# Altium PCB TCM.PcbDoc (part 5 of 10) (continued)
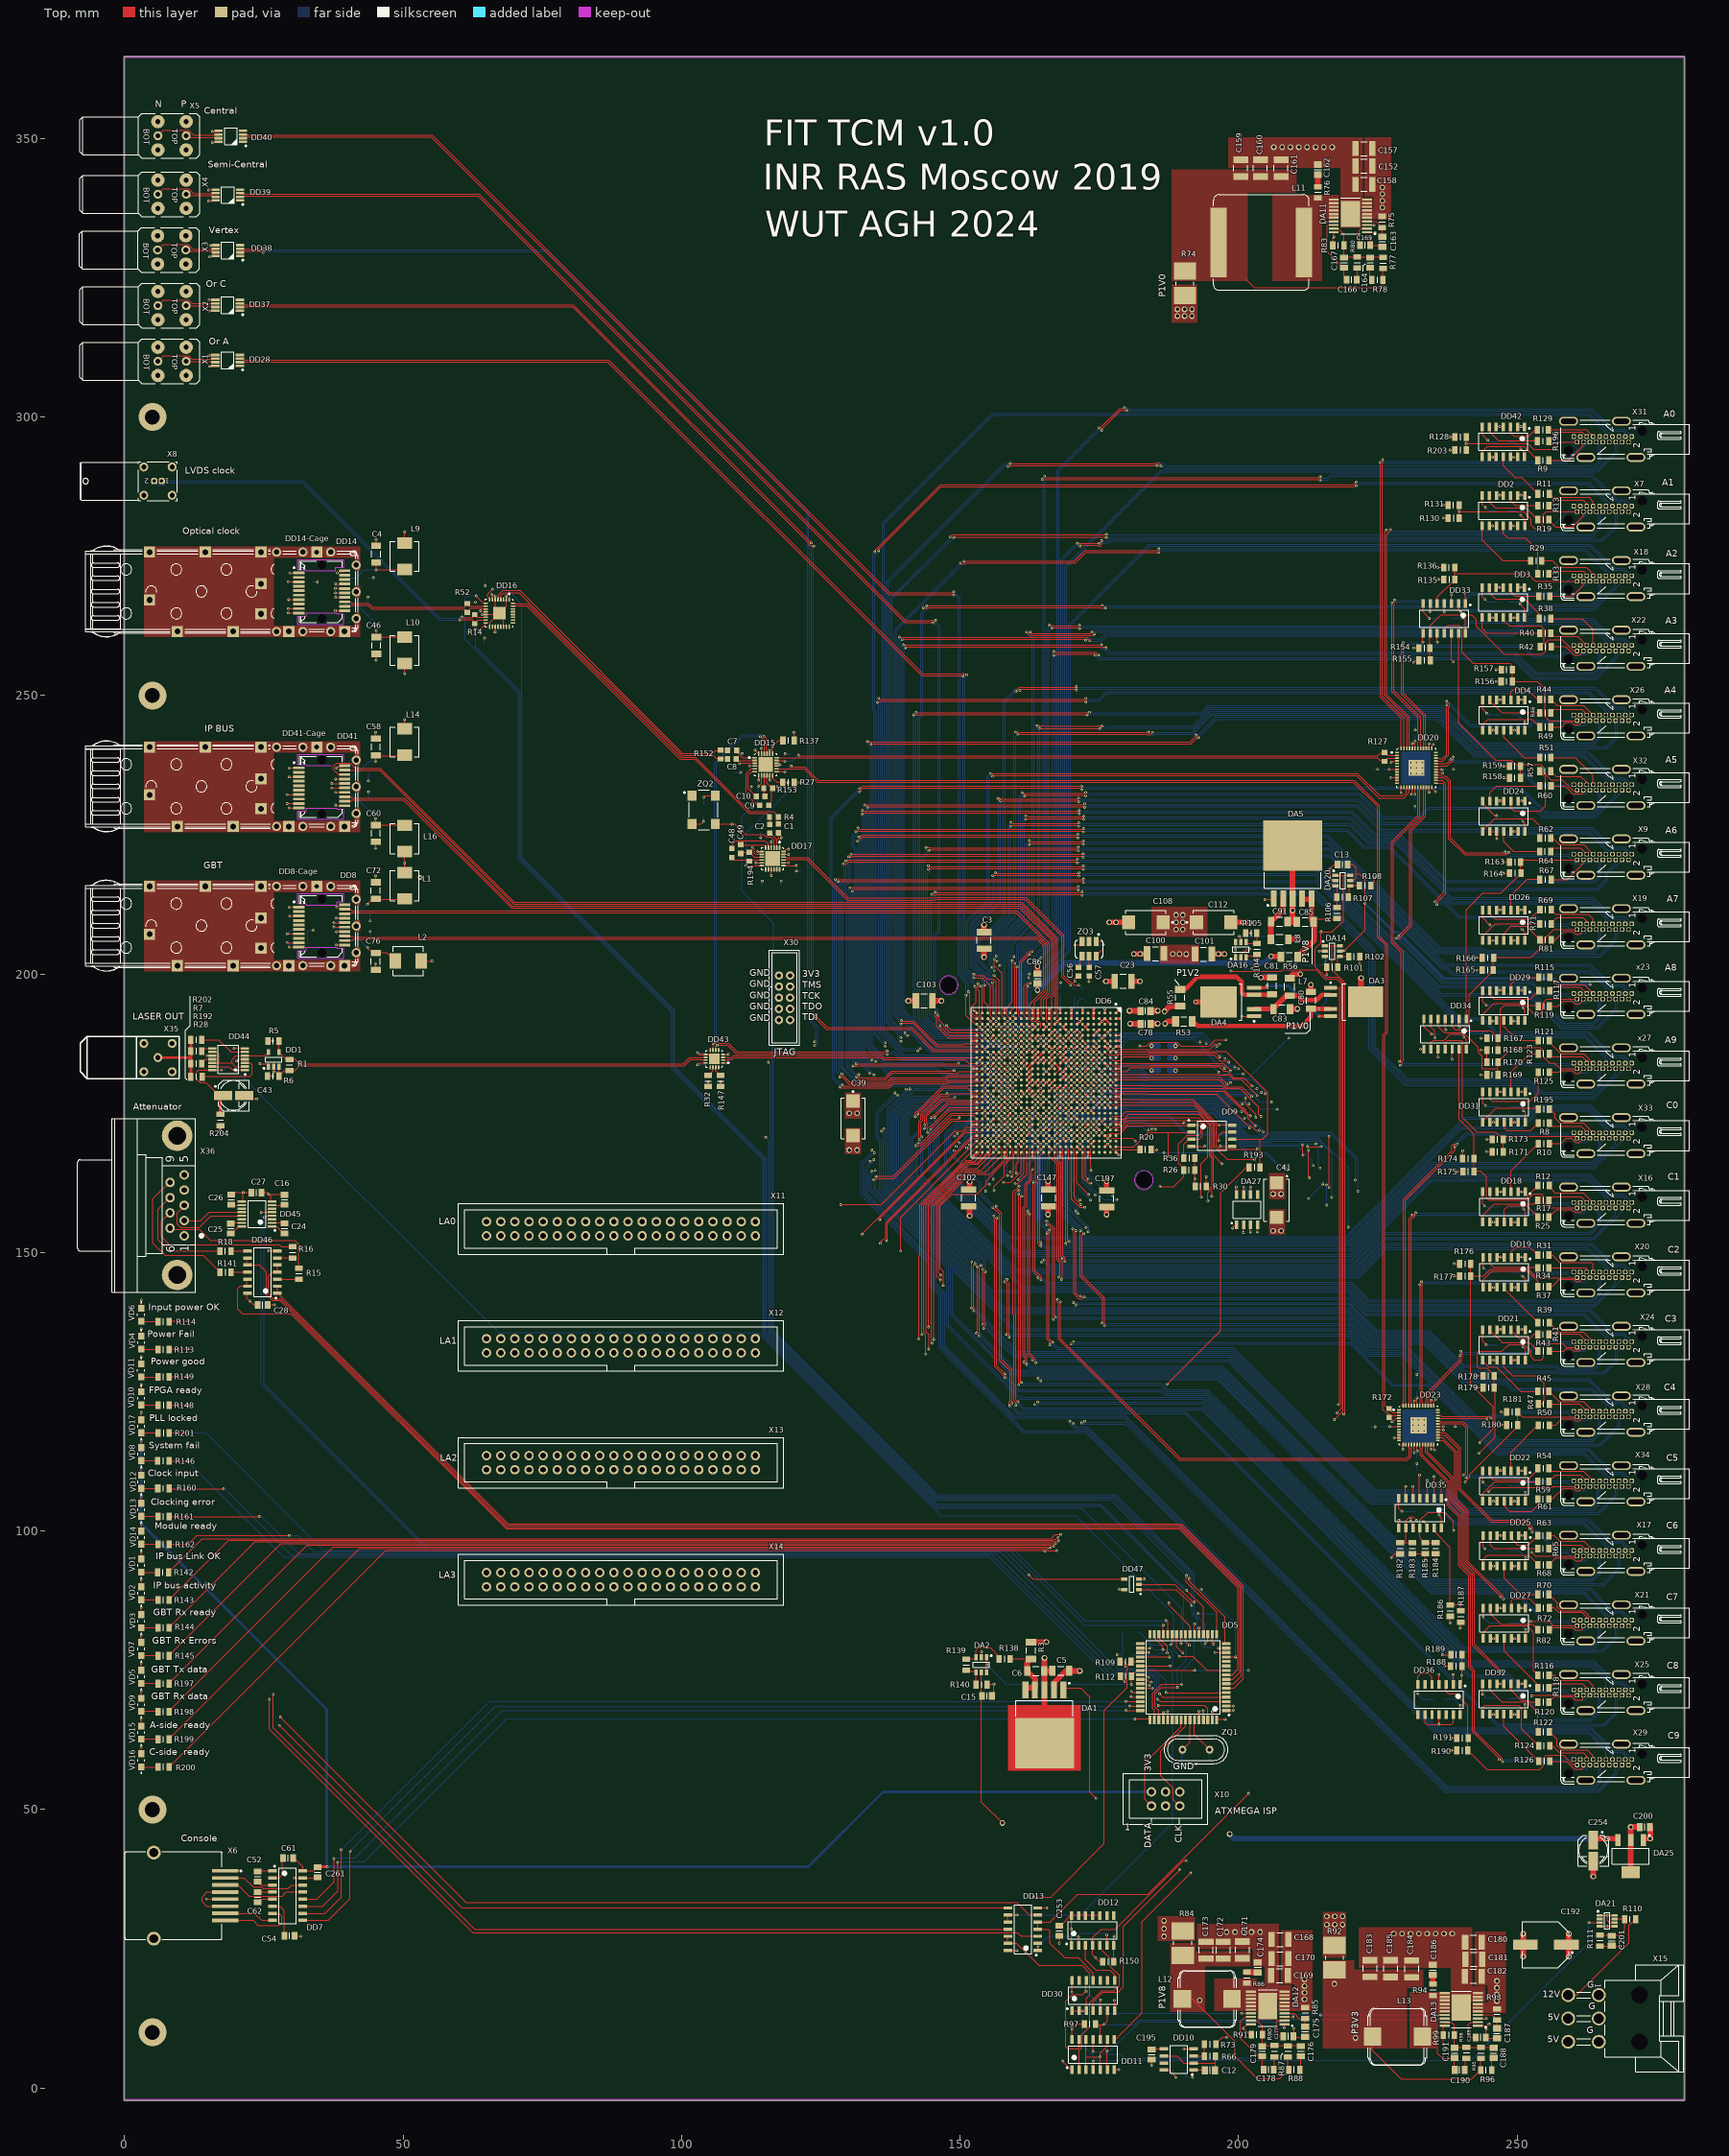
[diagram p0: Top view]
## Nets (pads, with @x,y where several pads share a name; then routed paths per layer and width w, separated by ;. In a path a pad name is that pad's centre, name@x,y a point inside that pad or via, vN(x,y) a via of type N, cw(c..) or ccw(c..) an arc to the next point about the centre after c; other vN are vias at no path point) (continued)
HDMIA8.TCM_DA1_P: DD6.AD11 x23.7 | length 213.2
  Top w0.1: v1(154.5,182.5) DD6.AD11@155,183
  Top w0.2: v1(130.5,221.507) 171.94,221.507 171.997,221.449 v1(172.137,221.589) ; v1(131.8,182) 131.8,181.791 131.862,181.729 131.862,181.531 132.035,181.358 136.47,181.358 137.694,182.582 148.308,182.582 148.389,182.663 v1(148.966,182.663)
  L3 w0.1: 150.5,182.663 152.055,182.663 152.313,182.405 154.405,182.405 v1(154.5,182.5)
  L3 w0.17: v1(148.966,182.663) 150.5,182.663
  Bot w0.2: v1(130.5,221.507) 130.49,221.497 130.49,220.897 130.35,220.757 130.35,216.602 129.647,215.9 129.647,214.447 130.1,213.995 130.1,183.293 131.377,182.016 131.575,182.016 131.591,182 v1(131.8,182) ; v1(172.137,221.589) 172.137,221.475 172.163,221.449 216.465,221.449 236.805,201.11 237.634,201.11 238.554,200.19 242.895,200.19 243.324,200.619 263.176,200.619 267.135,196.66 x23.7@267.135,196.5
HDMIA8.TCM_DT0_N: DD6.AD3 x23.6 | length 178.5
  Top w0.1: v1(154.5,190.5) DD6.AD3@155,191
  Top w0.2: v1(144.309,219.455) 144.309,219.367 144.361,219.315 171.984,219.315 v1(172.124,219.455)
  Bot w0.1: 150.5,190.237 153.204,190.237 153.336,190.105 154.106,190.105 v1(154.5,190.5)
  Bot w0.2: v1@144.246,219.455 v1(144.309,219.455) 144.372,219.455 144.799,219.028 144.799,218.622 144.208,218.031 144.208,192.233 146.204,190.237 146.61,190.237 146.614,190.241 146.84,190.241 146.844,190.237 150.5,190.237 ; v1(172.124,219.455) 172.124,219.328 172.137,219.315 213.46,219.315 213.72,219.055 213.865,219.055 236.42,196.5 252.048,196.5 258.069,190.478 264.346,190.478 267.712,193.845 x23.6@267.712,195.5
HDMIA8.TCM_DT0_P: DD6.AD4 x23.4 | length 180
  Top w0.1: DD6.AD4@155,190 v1(155.5,189.5)
  Top w0.2: v1(144.309,218.825) 144.309,218.913 144.361,218.965 171.984,218.965 v1(172.124,218.825)
  Bot w0.1: 150.5,189.887 152.686,189.887 152.693,189.895 155.106,189.895 v1(155.5,189.5)
  Bot w0.2: v1(144.309,218.825) 143.858,218.374 143.858,192.088 146.059,189.887 150.5,189.887 ; v1(172.124,218.825) 172.124,218.952 172.137,218.965 213.315,218.965 213.575,218.705 213.72,218.705 236.275,196.15 251.903,196.15 257.924,190.128 264.491,190.128 268.062,193.7 268.062,194.695 x23.4@268.866,195.5
HDMIA8.TCM_DT1_N: DD6.AD5 x23.3 | length 179.6
  Top w0.1: v1(154.5,189.5) DD6.AD5@155,189
  Top w0.2: v1(144.372,222.219) 144.422,222.269 171.071,222.269 v1(171.211,222.129)
  Bot w0.1: 150.5,189.5 v1(154.5,189.5)
  Bot w0.2: v1(144.372,222.219) 144.208,222.055 144.208,221.444 143.508,220.744 143.508,191.943 145.952,189.5 150.5,189.5 ; v1(171.211,222.129) 171.211,222.143 171.337,222.269 216.14,222.269 236.95,201.46 262.981,201.46 266.641,197.799 268.806,197.799 269.445,197.16 x23.3@269.445,196.5
HDMIA8.TCM_DT1_P: DD6.AD6 x23.1 | length 182.3
  Top w0.1: v1(154.5,188.5) DD6.AD6@155,188
  Top w0.2: v1(143.858,222.712) 144.572,222.712 144.665,222.619 171.071,222.619 v1(171.211,222.759)
  Bot w0.1: 150.5,189.13 153.87,189.13 v1(154.5,188.5)
  Bot w0.2: v1(143.858,222.712) 143.858,221.589 143.158,220.889 143.158,191.798 145.827,189.13 150.5,189.13 ; v1(171.211,222.759) 171.211,222.745 171.337,222.619 216.285,222.619 237.095,201.81 263.126,201.81 263.58,201.355 266.786,198.149 268.951,198.149 x23.1@270.6,196.5
HDMIA9.TCM_DA0_N: DD6.AE10 x27.12 | length 219.3
  Top w0.1: 150.5,183.5 153.5,183.5 DD6.AE10@154,184
  Top w0.2: v1(130.22,215.5) 130.705,215.5 130.808,215.603 171.076,215.603 v1(171.216,215.743) ; v1(130.8,183.505) 131.085,183.505 131.141,183.45 131.547,183.45 131.597,183.5 149.709,183.5 149.714,183.505 150.495,183.505 150.5,183.5
  Bot w0.2: v1(130.22,215.5) 130.16,215.44 130.16,214.697 130.447,214.41 130.45,214.41 130.45,184.561 130.8,184.211 v1(130.8,183.505) ; v1@171.308,215.603 213.419,215.603 224.576,204.445 224.576,186.993 230.399,181.171 252.117,181.171 252.219,181.068 254.5,178.788 263.396,178.788 264.65,180.041 264.65,182.597 x27.12@264.247,183
HDMIA9.TCM_DA0_P: DD6.AD10 x27.10 | length 219.2
  Top w0.1: v1(154.5,183.5) DD6.AD10@155,184
  Top w0.2: v1(130.65,214.9) 130.65,214.95 130.953,215.253 171.076,215.253 v1(171.216,215.113) ; v1(131.344,183.94) 131.411,183.94 131.501,183.85 149.564,183.85 v1(149.717,184.003)
  Bot w0.1: 150.5,183.797 152.797,183.797 153.088,183.505 153.249,183.505 153.254,183.5 v1(154.5,183.5)
  Bot w0.2: v1@130.65,214.85 130.8,214.7 130.8,184.706 131.15,184.356 131.15,184.134 v1(131.344,183.94) ; v1(149.717,184.003) 149.923,183.797 150.5,183.797 ; v1@171.308,215.253 213.274,215.253 224.226,204.3 224.226,186.848 230.254,180.821 251.972,180.821 254.252,178.54 254.355,178.438 263.541,178.438 263.644,178.54 265,179.897 265,182.597 x27.10@265.402,183
HDMIA9.TCM_DA1_N: DD6.AF12 x27.9 | length 212
  Top w0.1: 150.5,181.801 152.801,181.801 DD6.AF12@153,182
  Top w0.2: v1(128.1,216.602) 171.958,216.602 172.12,216.44 v1(172.181,216.44) ; v1@128.8,182.03 130.188,180.642 136.878,180.642 137.607,181.371 147.327,181.371 147.758,181.801 150.5,181.801
  Bot w0.2: v1(128.1,216.602) 128.2,216.502 128.2,182.672 v1(128.8,182.073) ; v1(172.181,216.44) 212.697,216.44 212.72,216.463 213.883,216.463 239.255,191.091 239.999,191.091 241.814,189.277 244.357,189.277 245.045,188.588 262.159,188.588 265.975,184.772 265.975,184.005 x27.9@265.98,184
HDMIA9.TCM_DA1_P: DD6.AE12 x27.7 | length 216.2
  Top w0.1: 150.5,181.451 153.451,181.451 DD6.AE12@154,182
  Top w0.2: v1(127.6,217) 127.702,216.898 127.897,217.092 128.303,217.092 128.443,216.952 172.061,216.952 v1(172.181,217.072) ; v1(128.4,181.526) 128.808,181.526 130.043,180.292 137.023,180.292 137.316,180.585 137.752,181.021 147.472,181.021 147.903,181.451 150.5,181.451
  Bot w0.2: v1(127.6,217) 127.61,216.99 127.61,216.4 127.85,216.159 127.85,182.528 128.31,182.068 128.31,181.87 128.4,181.78 v1(128.4,181.526) ; v1(172.181,217.072) 172.242,217.072 172.524,216.79 212.552,216.79 212.575,216.813 214.028,216.813 239.4,191.441 240.144,191.441 241.959,189.627 244.502,189.627 245.19,188.938 262.304,188.938 267.135,184.107 x27.7@267.135,184
HDMIA9.TCM_DT0_N: DD6.AF4 x27.6 | length 181.4
  Top w0.1: 150.5,190 DD6.AF4@153,190
  Top w0.2: v1@145.6,214.597 171.753,214.597 v1(171.893,214.737) ; v1(147.568,190.764) 148.331,190 150.5,190
  Bot w0.2: v1@145.397,214.594 145.397,213.587 144.908,213.098 144.908,192.922 147.067,190.764 v1(147.568,190.764) ; v1(171.893,214.737) 171.893,214.704 172,214.597 213.227,214.597 223.806,204.018 223.806,186.617 230.032,180.392 251.838,180.392 254.253,177.976 263.679,177.976 267.712,182.01 x27.6@267.712,183
  other v1: 145.5,214.697
HDMIA9.TCM_DT0_P: DD6.AF5 x27.4 | length 183.8
  Top w0.1: 150.5,189 DD6.AF5@153,189
  Top w0.2: v1(144.907,214.3) 145.204,214.3 145.297,214.207 145.703,214.207 145.743,214.247 171.753,214.247 v1(171.893,214.107) ; v1(146.407,190.727) 146.407,190.625 148.032,189 150.5,189
  Bot w0.2: v1(144.907,214.3) 144.907,213.592 144.558,213.243 144.558,192.777 146.407,190.928 v1(146.407,190.727) ; v1(171.893,214.107) 171.893,214.141 172,214.247 213.082,214.247 223.456,203.873 223.456,186.472 229.887,180.041 251.693,180.041 254.108,177.626 263.824,177.626 268.867,182.67 x27.4@268.866,183
HDMIA9.TCM_DT1_N: DD6.AE1 x27.3 | length 156
  Top w0.1: DD6.AE1@154,193 154,195.5
  Top w0.2: v1(153.711,197.826) 154,197.537 154,195.5 ; v1(155.847,217.706) 155.739,217.706 155.731,217.715 156.116,217.715 156.14,217.691 156.546,217.691 156.57,217.715 171.211,217.715 v1(171.351,217.575)
  Bot w0.2: v1(153.711,197.826) 153.87,197.985 153.87,198.203 154.01,198.343 154.01,199.261 151.803,201.468 151.803,209.092 156.012,213.301 156.012,217.542 v1(155.847,217.706) ; v1(171.351,217.575) 171.482,217.706 213.63,217.706 239.545,191.791 243.792,191.791 246.291,189.292 262.751,189.292 267.043,185 269.105,185 269.445,184.66 x27.3@269.445,184
HDMIA9.TCM_DT1_P: DD6.AD1 x27.1 | length 156.8
  Top w0.1: 154.36,195.5 154.36,194.985 155,194.345 DD6.AD1@155,193
  Top w0.2: 154.36,195.5 v1(154.36,198) ; v1(156.343,218.181) 156.343,218.136 156.272,218.065 171.211,218.065 v1(171.351,218.205)
  Bot w0.2: v1(154.36,198) 154.36,199.406 152.153,201.613 152.153,208.947 156.343,213.137 156.362,213.156 156.362,217.687 156.343,217.706 v1(156.343,218.181) ; v1(171.351,218.205) 171.491,218.065 171.554,218.065 171.562,218.056 213.775,218.056 214.032,217.8 239.69,192.141 243.937,192.141 244.04,192.039 246.436,189.642 262.896,189.642 267.188,185.35 269.25,185.35 x27.1@270.6,184
HDMIA_LHC.0_LHC_CLK_N: DD20.47 X31.19 | length 92.3
  Top w0.2: v1(225.857,292.354) 225.857,292.113 225.892,292.078 225.892,291.672 225.857,291.637 225.857,249.831 229.703,245.984 DD20.47@229.703,240.504
  Bot w0.2: v1(225.857,292.354) 225.857,292.279 225.997,292.139 225.997,292.136 226.114,292.019 258.611,292.019 ccw(c258.611,292.219) 258.752,292.077 259.705,293.03 cw(c260.091,292.642) 259.801,293.106 cw(c259.894,292.959) 259.802,293.107 ccw(c259.25,294) 260.141,293.445 cw(c260.289,293.354) 260.142,293.447 cw(c260.608,293.159) 260.22,293.545 260.74,294.065 ccw(c260.598,294.206) 260.722,294.363 260.076,294.873 cw(c260.2,295.03) 260.059,294.888 260,294.947 260,296.304 X31.19@260.196,296.5
HDMIA_LHC.0_LHC_CLK_P: DD20.48 X31.14 | length 92.2
  Top w0.2: v1(225.402,291.875) 225.507,291.77 225.507,249.686 229.203,245.989 DD20.48@229.203,240.504
  Bot w0.2: v1(225.402,291.875) 225.455,291.821 225.82,291.821 225.97,291.672 258.467,291.672 258.611,291.672 ccw(c258.611,292.219) 258.997,291.831 259.95,292.784 cw(c260.091,292.642) 259.986,292.812 ccw(c259.25,294) 260.436,293.26 ccw(c260.289,293.354) 260.437,293.263 cw(c260.608,293.159) 260.466,293.3 260.985,293.819 cw(c261.127,293.677) 261.004,293.835 262.886,295.3 X31.14@263.086,295.5
HDMIA_LHC.1_LHC_CLK_N: DD20.45 X7.19 | length 76.2
  Top w0.2: v1(227.286,279.838) 227.286,279.661 226.605,278.98 226.605,250.154 230.628,246.131 230.628,241.079 230.703,241.004 DD20.45@230.703,240.504
  Bot w0.2: v1(227.286,279.838) 227.584,279.54 255.593,279.54 258.05,281.997 258.753,282.7 260.053,284 X7.19@260.205,284
HDMIA_LHC.1_LHC_CLK_P: DD20.46 X7.14 | length 79.2
  Top w0.2: v1(226.585,279.735) 226.255,279.405 226.255,250.009 230.278,245.986 230.278,241.079 230.203,241.004 DD20.46@230.203,240.504
  Bot w0.2: 226.609,279.452 226.871,279.19 258.974,279.19 262.095,282.311 262.365,282.311 263.054,283 X7.14@263.092,283
HDMIA_LHC.2_LHC_CLK_N: DD20.41 X18.19 | length 62.9
  Top w0.2: v1(228.049,267.163) 227.996,267.11 227.996,266.913 227.988,266.906 227.988,266.398 227.897,266.308 227.897,250.876 232.703,246.071 DD20.41@232.703,240.504
  Bot w0.2: v1@227.948,267.062 227.953,267.057 v1@228.049,267.057 ; v1(228.049,267.163) 228.155,267.057 240.264,267.057 241.645,268.438 256.991,268.438 258.05,269.497 258.753,270.2 260.053,271.5 X18.19@260.205,271.5
HDMIA_LHC.2_LHC_CLK_P: DD20.42 X18.14 | length 65.5
  Top w0.2: v1(227.547,266.651) 227.547,250.732 232.203,246.076 232.203,244.032 232.207,244.028 232.207,243.622 232.203,243.617 DD20.42@232.203,240.504
  Bot w0.2: v1(227.547,266.651) 228.23,266.651 228.286,266.707 240.409,266.707 241.79,268.088 258.465,268.088 258.753,267.8 260.012,267.8 262.043,269.831 262.417,269.831 X18.14@263.086,270.5
HDMIA_LHC.3_LHC_CLK_N: DD20.39 X22.19 | length 53
  Top w0.2: v1(229.587,259.486) 229.588,259.153 229.704,259.037 229.704,258.631 229.609,258.536 229.609,250.371 233.553,246.427 233.553,240.965 233.703,240.815 DD20.39@233.703,240.504
  Bot w0.2: v1(229.587,259.486) 232.218,259.486 232.32,259.383 232.646,259.058 251.204,259.058 251.307,258.955 252.967,257.295 257.76,257.295 259.465,259 X22.19@260.205,259
HDMIA_LHC.3_LHC_CLK_P: DD20.40 X22.14 | length 55.6
  Top w0.2: v1(229.214,258.834) 229.259,258.789 229.259,250.226 233.203,246.282 233.203,241.004 DD20.40@233.203,240.504
  Bot w0.2: v1(229.214,258.834) 230.143,258.834 230.445,259.136 232.073,259.136 232.501,258.708 251.06,258.708 252.822,256.945 257.998,256.945 258.05,256.997 258.753,257.7 259.747,257.7 260.131,257.316 262.409,257.316 X22.14@263.092,258
HDMIA_LHC.4_LHC_CLK_N: DD20.33 X26.19 | length 37.9
  Top w0.2: DD20.33@235.453,238.254 236.666,238.254 237.719,239.307 237.719,247.966 237.859,248.106 237.859,248.512 237.432,248.939 v1(237.369,248.939)
  Bot w0.2: v1(237.369,248.939) 237.622,248.939 241.784,244.777 252.321,244.777 253.132,245.588 259.293,245.588 X26.19@260.205,246.5
HDMIA_LHC.4_LHC_CLK_P: DD20.34 X26.14 | length 39.4
  Top w0.2: DD20.34@235.453,238.754 235.953,238.754 236.054,238.653 236.571,238.653 237.369,239.452 v1(237.369,248.309)
  Bot w0.2: v1(237.369,248.309) 237.757,248.309 241.528,244.538 241.639,244.427 252.466,244.427 253.277,245.238 259.792,245.238 260.41,244.62 262.213,244.62 X26.14@263.092,245.5
HDMIA_LHC.5_LHC_CLK_N: DD20.31 X32.19 | length 28.1
  Top w0.2: DD20.31@235.453,237.254 236.029,237.254 236.179,237.404 237.475,237.404 238.088,238.017 238.286,238.017 238.573,238.304 238.573,238.908 v1(238.528,238.952)
  Bot w0.2: v1(238.528,238.952) 238.522,238.946 238.522,238.761 238.956,238.327 249.103,238.327 253.429,234 X32.19@260.205,234
HDMIA_LHC.5_LHC_CLK_P: DD20.32 X32.14 | length 30.8
  Top w0.2: DD20.32@235.453,237.754 237.33,237.754 v1(238.083,238.507)
  Bot w0.2: v1(238.083,238.507) 238.089,238.513 238.274,238.513 238.811,237.977 248.958,237.977 253.284,233.65 258.797,233.65 260.142,232.305 262.322,232.305 263.017,233 X32.14@263.092,233
HDMIA_LHC.6_LHC_CLK_N: DD20.27 X9.19 | length 36.9
  Top w0.2: DD20.27@235.453,235.254 236.306,235.254 236.318,235.242 237.039,235.242 237.719,234.561 237.719,224.287 240.614,221.393 248.089,221.393 248.544,221.848 v1(248.544,221.854)
  Bot w0.2: v1(248.544,221.854) 248.906,221.493 251.985,221.493 251.992,221.5 X9.19@260.205,221.5
HDMIA_LHC.6_LHC_CLK_P: DD20.28 X9.14 | length 40.5
  Top w0.2: DD20.28@235.453,235.754 236.301,235.754 236.463,235.592 237.184,235.592 238.069,234.706 238.069,224.432 240.759,221.743 v1@247.757,221.743
  Bot w0.2: v1(247.886,221.883) 247.886,221.819 248.563,221.143 259.123,221.143 260.45,219.815 262.408,219.815 X9.14@263.092,220.5
HDMIA_LHC.7_LHC_CLK_N: DD20.25 X19.19 | length 49.9
  Top w0.2: v1(235.2,213) 236.8,214.6 236.844,214.6 236.844,233.98 236.571,234.254 DD20.25@235.453,234.254
  Bot w0.2: v1(235.2,213) 237.089,213 239.652,210.438 253.532,210.438 253.634,210.335 253.738,210.335 255.073,209 X19.19@260.205,209
HDMIA_LHC.7_LHC_CLK_P: DD20.26 X19.14 | length 54.5
  Top w0.2: DD20.26@235.453,234.754 236.565,234.754 237.091,234.228 237.194,234.125 237.194,214.424 235.69,212.92 235.69,212.555 v1(235.6,212.465)
  Bot w0.2: v1(235.6,212.465) 235.752,212.465 235.937,212.65 236.944,212.65 239.507,210.088 253.387,210.088 254.863,208.611 258.953,208.611 260.378,207.186 262.278,207.186 X19.14@263.092,208
HDMIA_LHC.8_LHC_CLK_N: DD20.21 x23.19 | length 64.4
  Top w0.2: v1(228.708,206.83) 230.703,208.824 230.703,225.966 233.198,228.461 233.198,233.499 DD20.21@233.203,233.504
  Bot w0.2: v1(228.708,206.83) 228.708,206.632 236.682,198.658 252.672,198.658 252.815,198.516 254.831,196.5 x23.19@260.205,196.5
HDMIA_LHC.8_LHC_CLK_P: DD20.22 x23.14 | length 69.8
  Top w0.2: v1(228.263,206.384) 228.307,206.34 228.911,206.34 229.198,206.627 229.198,206.825 231.053,208.679 231.053,225.821 233.468,228.235 233.548,228.316 233.548,233.037 233.71,233.2 233.71,233.574 DD20.22@233.697,233.586
  Bot w0.2: v1(228.263,206.384) 228.461,206.384 228.505,206.34 236.537,198.308 252.527,198.308 254.686,196.15 259.1,196.15 260.449,194.801 262.393,194.801 x23.14@263.092,195.5
HDMIA_LHC.9_LHC_CLK_N: DD20.19 x27.19 | length 83.8
  Top w0.2: v1(228.88,184.323) 229.23,184.674 229.23,203.862 227.796,205.296 227.423,205.67 227.423,223.713 232.199,228.489 232.199,233.495 232.203,233.499 DD20.19@232.203,233.504
  Bot w0.2: v1(228.88,184.323) 229.081,184.122 229.46,184.122 229.6,183.982 259.176,183.982 259.558,183.6 259.805,183.6 x27.19@260.205,184
HDMIA_LHC.9_LHC_CLK_P: DD20.20 x27.14 | length 87.7
  Top w0.2: v1@229.135,183.632 229.37,183.868 229.37,184.318 229.58,184.529 229.58,204.007 229.3,204.288 227.773,205.815 227.773,223.568 232.549,228.344 232.549,233.038 232.703,233.192 DD20.20@232.703,233.504
  Bot w0.2: v1(229.079,183.632) 259.031,183.632 260.413,182.25 262.342,182.25 x27.14@263.092,183
HDMIC0.TCM_DA0_N: DD6.P26 X33.12 | length 127
  Top w0.1: 164.35,165.5 164.35,167.35 DD6.P26@165,168
  Top w0.2: 164.35,165.5 164.35,152.026 164.5,151.876 v1(164.5,151.8)
  Bot w0.2: v1(164.5,151.8) 164.563,151.8 164.99,151.373 164.99,151.31 165.19,151.11 169.845,151.11 170.235,151.5 219.886,151.5 234.528,166.143 234.585,166.143 234.668,166.225 263.459,166.225 264.65,167.417 264.65,170.097 X33.12@264.247,170.5
HDMIC0.TCM_DA0_P: DD6.R26 X33.10 | length 128
  Top w0.1: 164,165.5 DD6.R26@164,168
  Top w0.2: 164,165.5 164,164.705 164.01,164.695 164.01,151.597 164.437,151.17 v1(164.5,151.17)
  Bot w0.2: v1(164.5,151.17) 164.64,151.17 164.64,151.165 165.045,150.76 169.99,150.76 170.38,151.15 220.031,151.15 234.673,165.793 234.73,165.793 234.813,165.875 263.604,165.875 263.706,165.978 265,167.272 265,170.097 X33.10@265.402,170.5
HDMIC0.TCM_DA1_N: DD6.K26 X33.9 | length 125.3
  Top w0.1: 169,165.5 DD6.K26@169,168
  Top w0.2: v1(169,151.6) 169,165.5
  Bot w0.2: v1(169,151.6) 169.09,151.51 169.75,151.51 170.09,151.85 219.741,151.85 234.383,166.493 234.386,166.493 240.109,172.216 250.934,172.216 254.138,175.419 262.725,175.419 265.98,172.164 X33.9@265.98,171.5
HDMIC0.TCM_DA1_P: DD6.K25 X33.7 | length 126.6
  Top w0.1: DD6.K25@169,169 169,168.853 169.49,168.362 169.49,166.739 169.357,166.606 169.357,165.5
  Top w0.2: 169.357,165.5 169.357,152.189 v1(169.547,152)
  Bot w0.2: v1(169.547,152) 169.646,151.901 169.945,152.2 219.596,152.2 234.238,166.843 234.241,166.843 239.964,172.566 250.789,172.566 253.993,175.769 262.87,175.769 266.33,172.309 266.33,172.305 X33.7@267.135,171.5
HDMIC0.TCM_DT0_N: DD6.AF15 X33.6 | length 161.4
  Top w0.1: 150.5,179.596 151.361,179.596 151.957,179 DD6.AF15@153,179
  Top w0.2: v1(142.397,174.9) 142.397,174.897 147.096,179.596 150.5,179.596
  Bot w0.2: v1(142.397,174.9) 143.177,174.9 145.55,172.527 145.55,165.296 160.45,150.396 170.256,150.396 170.587,150.727 220.103,150.727 234.818,165.443 263.694,165.443 267.712,169.461 X33.6@267.712,170.5
HDMIC0.TCM_DT0_P: DD6.AF14 X33.4 | length 163.7
  Top w0.1: 150.5,179.949 151.408,179.949 151.459,180 DD6.AF14@153,180
  Top w0.2: v1(141.986,174.4) 141.907,174.478 141.907,175.103 142.194,175.39 142.395,175.39 146.954,179.949 150.5,179.949
  Bot w0.2: v1@142.194,174.41 142.6,174.41 142.74,174.55 143.032,174.55 145.2,172.382 145.2,165.151 160.305,150.046 170.401,150.046 170.732,150.377 220.248,150.377 234.963,165.093 263.839,165.093 263.942,165.195 268.867,170.121 X33.4@268.866,170.5
HDMIC0.TCM_DT1_N: DD6.AF17 X33.3 | length 159.6
  Top w0.1: 150.5,177 DD6.AF17@153,177
  Top w0.2: v1(144.8,174.2) 144.993,174.393 144.993,174.488 145.28,174.775 145.478,174.775 147.703,177 150.5,177
  Bot w0.2: v1(144.8,174.2) 145.9,173.1 145.9,165.441 158.781,152.56 219.399,152.56 240.787,173.948 251.505,173.948 253.682,176.126 263.068,176.126 266.617,172.576 269.028,172.576 269.445,172.16 X33.3@269.445,171.5
HDMIC0.TCM_DT1_P: DD6.AE17 X33.1 | length 160.1
  Top w0.1: 150.5,176.65 152.692,176.65 152.757,176.585 153.172,176.585 153.587,177 DD6.AE17@154,177
  Top w0.2: v1(145.483,174.285) 147.848,176.65 150.5,176.65
  Bot w0.2: v1(145.483,174.285) 145.483,174.011 146.25,173.245 146.25,165.586 158.926,152.91 219.254,152.91 240.642,174.298 251.36,174.298 253.537,176.476 263.213,176.476 266.762,172.926 269.173,172.926 X33.1@270.6,171.5
HDMIC1.TCM_DA0_N: DD6.N24 X16.12 | length 129.3
  Top w0.1: v1(165.5,170.5) DD6.N24@166,170
  L3 w0.1: v1(165.5,170.5) 165.5,170.059 165.895,169.664 165.895,169.185 165.641,168.931 165.641,165.5
  L3 w0.17: v1(165.085,148.703) 165.085,148.953 165.4,149.267 165.4,152.933 165.025,153.308 165.025,163.024 165.641,163.641 165.641,165.5
  Bot w0.17: v1(165.085,148.703) 165.919,147.87 220.326,147.87 220.978,148.522
  Bot w0.2: 220.978,148.522 226.092,153.636 263.133,153.636 264.65,155.153 264.65,157.597 X16.12@264.247,158
HDMIC1.TCM_DA0_P: DD6.P24 X16.10 | length 129.5
  Top w0.1: DD6.P24@165,170 v1(165.5,169.5)
  L3 w0.1: 165.321,165.5 165.321,169.321 v1(165.5,169.5)
  L3 w0.17: v1(164.64,148.258) 164.61,148.287 164.61,148.929 164.64,148.959 165.08,149.4 165.08,152.8 164.705,153.176 164.705,163.157 165.321,163.773 165.321,165.5
  Bot w0.17: v1(164.64,148.258) 164.669,148.228 165.108,148.228 165.786,147.55 220.501,147.55 221.132,148.181
  Bot w0.2: 221.132,148.181 226.237,153.286 263.278,153.286 263.38,153.389 265,155.009 265,157.597 X16.10@265.402,158
HDMIC1.TCM_DA1_N: DD6.L25 X16.9 | length 126.1
  Top w0.1: DD6.L25@168,169 168.5,168.5 168.5,165.5
  Top w0.2: 168.5,165.5 168.5,149.393 168.844,149.048 168.844,148.642 168.8,148.598 v1(168.8,148.4)
  Bot w0.2: v1(168.8,148.4) 220.253,148.4 234.716,162.863 262.777,162.863 265.98,159.66 X16.9@265.98,159
HDMIC1.TCM_DA1_P: DD6.M25 X16.7 | length 127.4
  Top w0.1: DD6.M25@167,169 167.523,168.477 167.523,166.771 168.15,166.145 168.15,165.5
  Top w0.2: 168.15,165.5 168.15,149.248 168.354,149.043 v1(168.354,148.845)
  Bot w0.2: v1(168.354,148.845) 168.453,148.746 168.597,148.89 169.003,148.89 169.143,148.75 220.108,148.75 234.571,163.213 262.922,163.213 X16.7@267.135,159
HDMIC1.TCM_DT0_N: DD6.AE15 X16.6 | length 160.2
  Top w0.1: 150.5,178.5 153.5,178.5 DD6.AE15@154,179
  Top w0.2: v1(143.15,170.78) 143.01,170.92 143.01,173.41 143.3,173.7 143.3,174.74 146.626,178.066 147.857,178.066 148.144,178.353 148.144,178.373 148.271,178.5 150.5,178.5
  Bot w0.2: v1@143.1,170.8 143.1,170.546 143.19,170.456 143.19,170.305 143.35,170.145 143.35,163.847 160,147.197 220.713,147.197 226.237,152.722 263.71,152.722 267.712,156.724 X16.6@267.712,158
HDMIC1.TCM_DT0_P: DD6.AD15 X16.4 | length 163.5
  Top w0.1: v1@154.5,179.5 DD6.AD15@155,179
  Top w0.2: v1(142.7,170.254) 142.66,170.293 142.66,173.555 142.95,173.845 142.95,174.885 146.481,178.416 147.514,178.416 v1(147.654,178.556)
  L3 w0.1: 150.5,179.5 v1(154.5,179.5)
  L3 w0.17: v1(147.654,178.556) 148.599,179.5 150.5,179.5
  Bot w0.2: v1@142.7,170.3 143,170 143,163.702 159.855,146.847 220.858,146.847 226.382,152.372 263.855,152.372 268.867,157.384 X16.4@268.866,158
HDMIC1.TCM_DT1_N: DD6.AF18 X16.3 | length 157.7
  Top w0.1: 150.5,176 DD6.AF18@153,176
  Top w0.2: v1(144.217,171.543) 144.217,172.329 144.49,172.602 144.719,172.602 148.117,176 150.5,176
  Bot w0.2: v1@144.1,171.607 144.357,171.35 144.357,165.004 159.4,149.961 160.015,149.346 220.21,149.346 234.576,163.713 262.966,163.713 266.57,160.108 268.997,160.108 269.445,159.66 X16.3@269.445,159
HDMIC1.TCM_DT1_P: DD6.AE18 X16.1 | length 158.3
  Top w0.1: 150.5,175.65 152.692,175.65 152.807,175.535 153.535,175.535 DD6.AE18@154,176
  Top w0.2: v1(144.707,172.095) 148.262,175.65 150.5,175.65
  Bot w0.2: v1(144.707,172.095) 144.707,165.149 160.16,149.696 220.065,149.696 234.268,163.9 234.431,164.063 263.111,164.063 263.185,163.989 266.715,160.458 269.142,160.458 X16.1@270.6,159
HDMIC2.TCM_DA0_N: DD6.P25 X20.12 | length 130.5
  Top w0.1: v1(164.5,168.5) DD6.P25@165,169
  Top w0.2: v1(163.205,162.665) 163.095,162.555 163.095,146.633 164,145.728 v1(164,145.53)
  L3 w0.1: 164.161,165.5 164.161,166.145 164.5,166.484 v1(164.5,168.5)
  L3 w0.17: v1(163.205,162.665) 163.205,163.223 164.161,164.179 164.161,165.5
  Bot w0.2: v1(164,145.53) 164.063,145.593 164.693,145.593 165.636,144.65 220.299,144.65 223.445,141.504 263.501,141.504 264.65,142.653 264.65,145.097 X20.12@264.247,145.5
HDMIC2.TCM_DA0_P: DD6.R25 X20.10 | length 130.5
  Top w0.1: 163.563,165.5 163.563,168.15 164,168.587 DD6.R25@164,169
  Top w0.2: 163.563,165.5 163.563,163 163.695,162.868 163.695,162.462 163.445,162.212 163.445,146.778 164.49,145.733 v1(164.49,145.103)
  Bot w0.2: v1(164.49,145.103) 164.688,145.103 165.491,144.3 220.154,144.3 223.3,141.154 263.646,141.154 265,142.508 265,145.097 X20.10@265.402,145.5
HDMIC2.TCM_DA1_N: DD6.M26 X20.9 | length 125.5
  Top w0.1: DD6.M26@167,168 167,166.786 167.8,165.987 167.8,165.5
  Top w0.2: 167.8,165.5 167.8,162.112 167.806,162.105 167.806,148.771 168.34,148.238 168.34,145.706 168.254,145.62 168.254,145.202 v1(168.2,145.148)
  Bot w0.2: v1(168.2,145.148) 168.474,145.422 221.486,145.422 226.585,150.522 262.632,150.522 265.98,147.174 X20.9@265.98,146.5
HDMIC2.TCM_DA1_P: DD6.N26 X20.7 | length 126.7
  Top w0.1: DD6.N26@166,168 166,167.318 167.445,165.873 167.445,165.5
  Top w0.2: 167.45,165.495 167.45,161.967 167.456,161.96 167.456,148.626 167.99,148.093 167.99,145.851 167.754,145.615 v1(167.754,145.594)
  Bot w0.2: v1(167.754,145.594) 167.952,145.594 167.997,145.638 168.195,145.638 168.329,145.772 221.341,145.772 226.44,150.872 262.777,150.872 266.33,147.319 266.33,147.305 X20.7@267.135,146.5
HDMIC2.TCM_DT0_N: DD6.AE16 X20.6 | length 161.9
  Top w0.1: 150.5,177.35 152.605,177.35 152.755,177.5 153.5,177.5 DD6.AE16@154,178
  Top w0.2: v1(143.6,172.3) 143.693,172.3 144.14,172.747 144.14,173.153 144,173.293 144,174.45 146.9,177.35 150.5,177.35
  Bot w0.2: v1(143.6,172.3) 143.402,172.3 141.5,170.398 141.5,163.717 161.317,143.9 219.985,143.9 223.245,140.64 263.818,140.64 267.712,144.534 X20.6@267.712,145.5
HDMIC2.TCM_DT0_P: DD6.AD16 X20.4 | length 165
  Top w0.1: v1(154.5,178.5) DD6.AD16@155,178
  Top w0.2: v1(143.65,172.95) 143.65,174.595 146.771,177.716 148.925,177.716 149.019,177.809 v1(149.019,177.895)
  L3 w0.1: 150.5,178.5 v1(154.5,178.5)
  L3 w0.17: v1(149.019,177.895) 149.624,178.5 150.5,178.5
  Bot w0.2: v1(143.65,172.95) 143.557,172.95 141.15,170.543 141.15,163.572 161.172,143.55 219.84,143.55 223.1,140.29 263.963,140.29 264.065,140.392 268.867,145.194 X20.4@268.866,145.5
HDMIC2.TCM_DT1_N: DD6.AF20 X20.3 | length 158.3
  Top w0.1: 150.5,174.643 152.357,174.643 DD6.AF20@153,174
  Top w0.2: v1(142.008,169.193) 142.214,169.193 142.297,169.11 142.703,169.11 142.843,169.25 143.134,169.25 148.527,174.643 150.5,174.643
  Bot w0.2: v1(142.008,169.193) 142.008,163.704 159.565,146.147 221.181,146.147 221.534,146.5 226.386,151.352 263.289,151.352 267.141,147.5 269.093,147.5 269.445,147.148 X20.3@269.445,146.5
HDMIC2.TCM_DT1_P: DD6.AF19 X20.1 | length 158.3
  Top w0.1: 150.5,175 DD6.AF19@153,175
  Top w0.2: v1(142.5,169.6) 142.989,169.6 148.389,175 150.5,175
  Bot w0.2: 142.358,168.796 142.358,163.849 159.71,146.497 221.036,146.497 226.241,151.702 263.434,151.702 267.286,147.85 269.25,147.85 X20.1@270.6,146.5 ; 142.358,168.85 142.498,168.99 142.498,169.396 142.397,169.497 v1(142.5,169.6)
HDMIC3.TCM_DA0_N: DD6.L24 X24.12 | length 133
  Top w0.1: v1(167.5,169.5) DD6.L24@168,170
  L3 w0.1: v1(167.5,169.5) 167.405,169.405 167.405,166.834 167.775,166.464 167.775,165.5
  L3 w0.17: 167.775,165.5 167.775,164.057 168.704,163.127 168.704,153.682 170.108,152.279 170.108,141.388 170.354,141.141 v1(170.354,141.045) v1@170.325,141.016
  Bot w0.17: v1(170.354,141.045) 170.38,141.02 170.548,141.02 170.603,141.075 170.997,141.075 171.052,141.02 219.912,141.02 224.92,136.012 226,136.012
  Bot w0.2: 226,136.012 234.292,136.012 240.496,129.808 256.992,129.808 257.339,129.461 ccw(c257.482,129.601) 257.34,129.46 257.441,129.359 ccw(c257.583,129.5) 257.583,129.3 261.061,129.3 cw(c261.059,128.75) 261.197,129.283 ccw(c261.45,130.25) 261.45,129.25 263.25,129.25 ccw(c263.25,130.25) 263.651,129.334 263.84,129.417 ccw(c263.76,129.6) 263.901,129.458 264.591,130.149 ccw(c264.45,130.29) 264.65,130.29 264.65,130.435 264.65,132.597 X24.12@264.247,133
HDMIC3.TCM_DA0_P: DD6.M24 X24.10 | length 135
  Top w0.1: DD6.M24@167,170 v1(167.5,170.5)
  L3 w0.1: v1(167.5,170.5) 167.5,170.059 167.895,169.664 167.895,169.105 167.69,168.9 167.69,167.548 167.605,167.463 167.605,167.037 168.095,166.547 168.095,165.5
  L3 w0.17: 168.095,165.5 168.095,164.189 169.024,163.26 169.024,153.815 170.428,152.411 170.428,141.644 170.829,141.242 170.829,140.629 v1(170.8,140.6) v1@170.709,140.509
  Bot w0.17: v1(170.8,140.6) 170.9,140.7 219.779,140.7 224.817,135.662 226.133,135.662
  Bot w0.2: 226.133,135.662 234.147,135.662 240.351,129.458 256.847,129.458 257.194,129.111 ccw(c257.583,129.5) 257.583,128.95 261.06,128.95 cw(c261.059,128.75) 261.109,128.944 ccw(c261.45,130.25) 261.45,128.9 263.25,128.9 ccw(c263.25,130.25) 263.792,129.014 263.981,129.096 ccw(c263.76,129.6) 264.148,129.21 ccw(c264.025,129.335) 264.149,129.211 264.839,129.901 ccw(c264.45,130.29) 265,130.29 265,130.435 265,132.597 X24.10@265.402,133
HDMIC3.TCM_DA1_N: DD6.M20 X24.9 | length 133.8
  Top w0.1: DD6.M20@167,174 v1(167.5,174.5)
  Top w0.2: v1(170.8,153.947) 170.701,153.848 170.755,153.794 170.755,142.745 171.3,142.2 v1(171.643,142.2)
  Bot w0.1: 167.5,165.5 167.5,166.909 167.405,167.003 167.405,167.496 167.5,167.591 167.5,168.941 167.105,169.336 167.105,174.105 v1(167.5,174.5)
  Bot w0.2: 167.5,165.5 167.474,165.474 167.474,158.142 167.5,158.116 167.5,157.821 170.724,154.596 170.724,154.023 v1(170.8,153.947) ; v1(171.643,142.2) 171.643,141.971 172.097,141.517 172.503,141.517 172.586,141.6 219.805,141.6 222.7,138.705 261.935,138.705 265.98,134.66 X24.9@265.98,134